# KiCad board d20_tri_r0.3_4x1.kicad_pcb
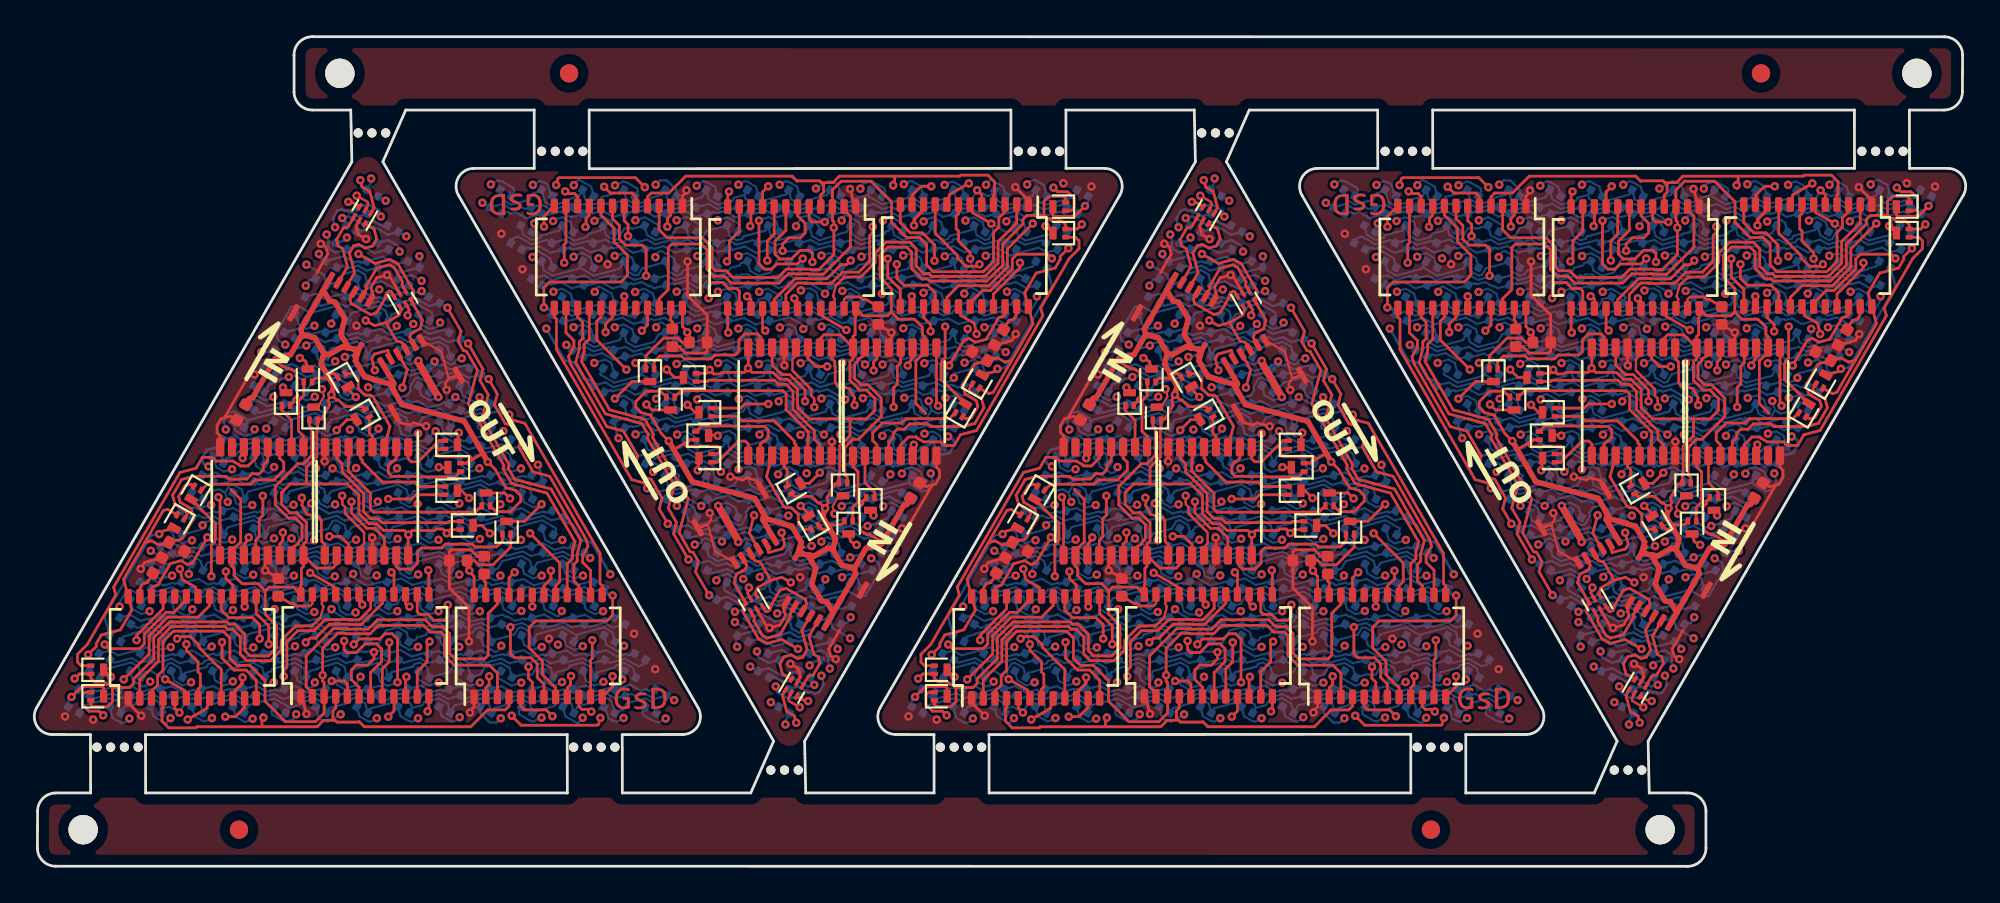
[diagram p0: board, top side]
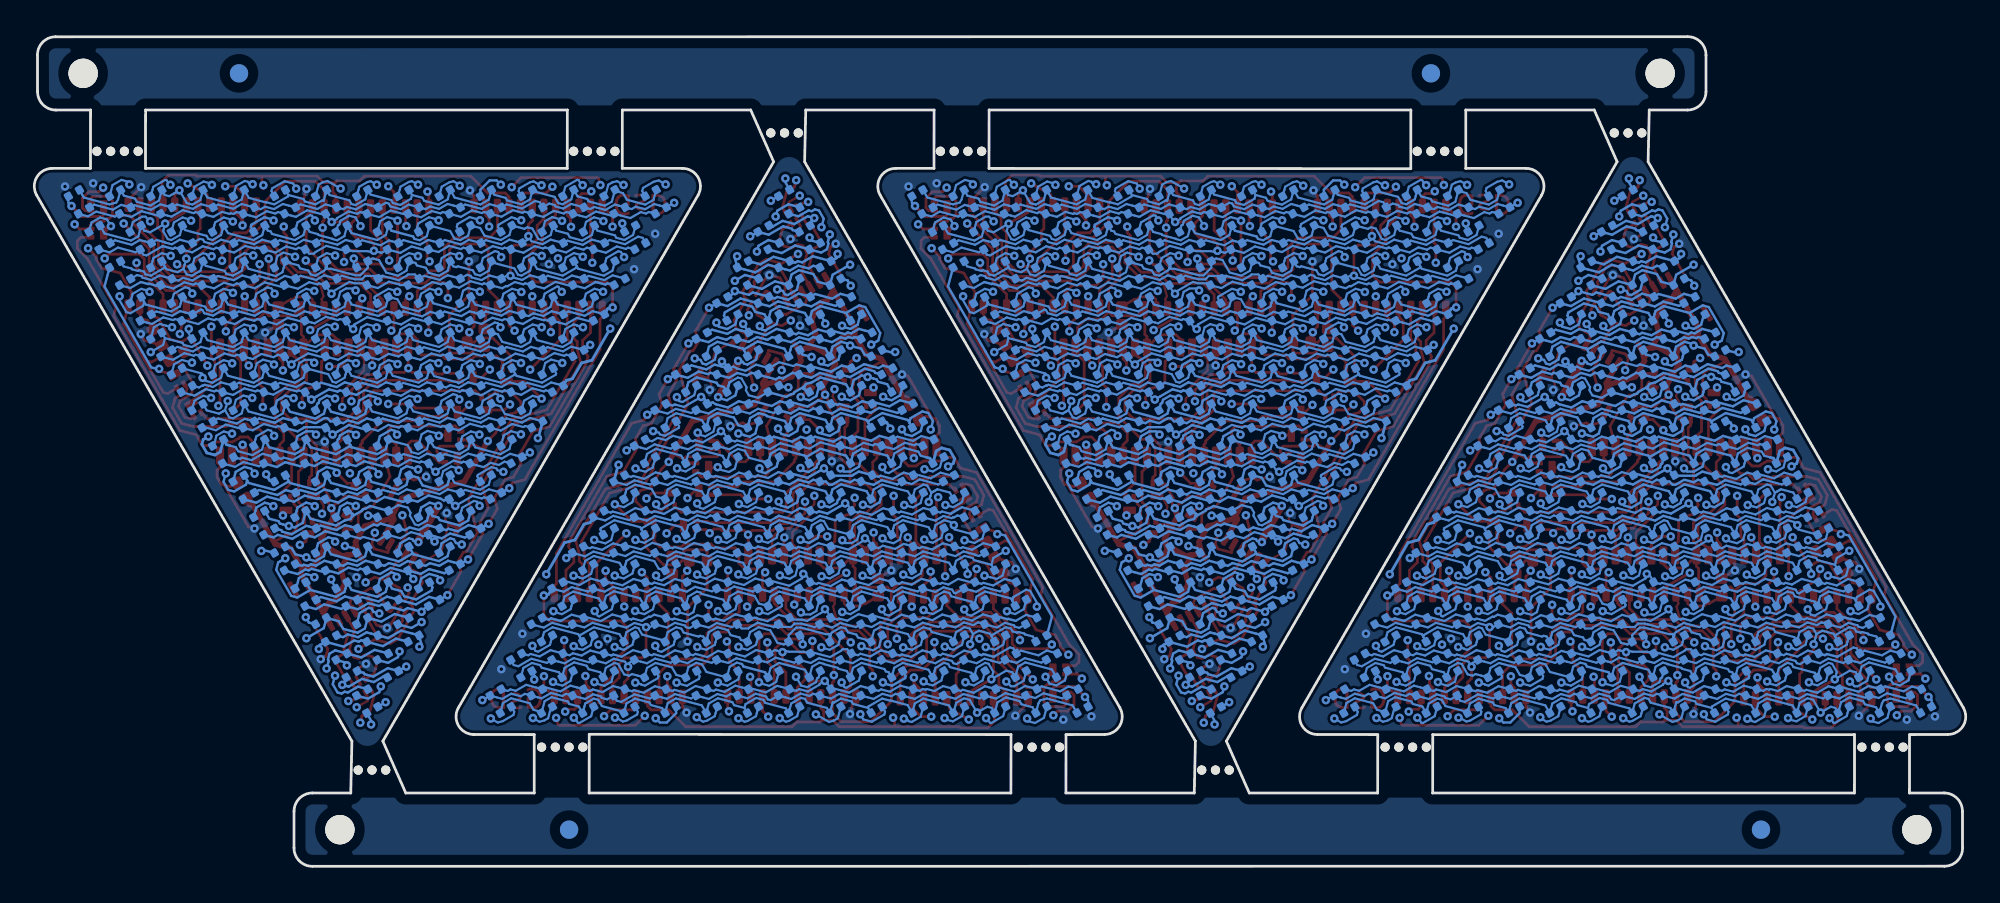
[diagram p1: board, bottom side, seen from below]

Outline 105.33 x 45.25 mm; copper layers: Top, In1.Cu, In2.Cu, Bottom. Coordinates in mm from the lower left corner of the outline.
Outline path: 0.13,8.65 17.32,38.43 17.26,41.25 15.16,41.25 arc(14.46,41.54) 14.16,42.25 14.16,44.25 arc(14.46,44.96) 15.16,45.25 104.16,45.24 arc(104.86,44.96) 105.16,44.26 105.15,42.25 arc(104.86,41.54) 104.15,41.25 102.26,41.25 102.26,38.07 104.35,38.07 arc(105.2,37.58) 105.2,36.6 88.01,6.83 88.07,4 90.16,4 arc(90.87,3.71) 91.16,3 91.16,1 arc(90.87,0.29) 90.16,0 1.17,0.01 arc(0.47,0.29) 0.17,0.99 0.18,3 arc(0.47,3.71) 1.18,4 3.07,4 3.06,7.18 0.97,7.19 arc(0.13,7.68) 0.13,8.65 ; 6.06,7.18 6.07,4 29.07,4 29.06,7.18 6.06,7.18 ; 19.01,38.43 20.26,41.25 27.26,41.25 27.26,38.07 23.98,38.07 arc(23.13,37.58) 23.13,36.6 40.32,6.83 39.07,4 32.07,4 32.06,7.18 35.35,7.19 arc(36.2,7.68) 36.2,8.65 19.01,38.43 ; 30.26,41.25 53.26,41.25 53.26,38.07 30.26,38.05 30.26,41.25 ; 42.01,6.83 42.07,4 49.07,4 49.06,7.18 46.97,7.19 arc(46.13,7.68) 46.13,8.65 63.32,38.43 63.26,41.25 56.26,41.25 56.26,38.07 58.35,38.07 arc(59.2,37.58) 59.2,36.6 42.01,6.83 ; 52.06,7.18 52.07,4 75.07,4 75.06,7.2 52.06,7.18 ; 65.01,38.43 66.26,41.25 73.26,41.25 73.26,38.07 69.98,38.07 arc(69.13,37.58) 69.13,36.6 86.32,6.83 85.07,4 78.06,4 78.06,7.18 81.35,7.19 arc(82.2,7.68) 82.2,8.65 65.01,38.43 ; 76.26,41.25 99.26,41.25 99.26,38.07 76.26,38.07 76.26,41.25

## Placement (name value [footprint] x y rotation side)
C1  100nF  [C_0402_1005Metric]  51.57 27.83 150 top
C1#2  100nF  [C_0402_1005Metric]  7.76 17.43 330 top
C1#3  100nF  [C_0402_1005Metric]  97.57 27.83 150 top
C1#4  100nF  [C_0402_1005Metric]  53.76 17.43 330 top
C2  100nF  [C_0402_1005Metric]  36.21 28.58 0 top
C2#2  100nF  [C_0402_1005Metric]  23.12 16.67 180 top
C2#3  100nF  [C_0402_1005Metric]  82.21 28.58 0 top
C2#4  100nF  [C_0402_1005Metric]  69.12 16.67 180 top
C3  100nF  [C_0402_1005Metric]  48.03 20.5 60 top
C3#2  100nF  [C_0402_1005Metric]  11.3 24.76 240 top
C3#3  100nF  [C_0402_1005Metric]  94.03 20.5 60 top
C3#4  100nF  [C_0402_1005Metric]  57.3 24.76 240 top
D1  LED_ARGB  [led_rbag_1515]  25.44 36.25 240 bottom
D1#2  LED_ARGB  [led_rbag_1515]  33.89 9.01 60 bottom
D1#3  LED_ARGB  [led_rbag_1515]  79.89 9.01 60 bottom
D1#4  LED_ARGB  [led_rbag_1515]  71.44 36.25 240 bottom
D2  LED_ARGB  [led_rbag_1515]  26.56 34.3 240 bottom
D2#2  LED_ARGB  [led_rbag_1515]  32.77 10.95 60 bottom
D2#3  LED_ARGB  [led_rbag_1515]  78.77 10.95 60 bottom
D2#4  LED_ARGB  [led_rbag_1515]  72.56 34.3 240 bottom
D3  LED_ARGB  [led_rbag_1515]  27.69 32.35 240 bottom
D3#2  LED_ARGB  [led_rbag_1515]  31.64 12.9 60 bottom
D3#3  LED_ARGB  [led_rbag_1515]  77.64 12.9 60 bottom
D3#4  LED_ARGB  [led_rbag_1515]  73.69 32.35 240 bottom
D4  LED_ARGB  [led_rbag_1515]  28.81 30.41 240 bottom
D4#2  LED_ARGB  [led_rbag_1515]  30.52 14.85 60 bottom
D4#3  LED_ARGB  [led_rbag_1515]  74.81 30.41 240 bottom
D4#4  LED_ARGB  [led_rbag_1515]  76.52 14.85 60 bottom
D5  LED_ARGB  [led_rbag_1515]  29.93 28.46 240 bottom
D5#2  LED_ARGB  [led_rbag_1515]  29.4 16.79 60 bottom
D5#3  LED_ARGB  [led_rbag_1515]  75.93 28.46 240 bottom
D5#4  LED_ARGB  [led_rbag_1515]  75.4 16.79 60 bottom
D6  LED_ARGB  [led_rbag_1515]  31.06 26.52 240 bottom
D6#2  LED_ARGB  [led_rbag_1515]  28.27 18.74 60 bottom
D6#3  LED_ARGB  [led_rbag_1515]  74.27 18.74 60 bottom
D6#4  LED_ARGB  [led_rbag_1515]  77.06 26.52 240 bottom
D7  LED_ARGB  [led_rbag_1515]  32.18 24.57 240 bottom
D7#2  LED_ARGB  [led_rbag_1515]  27.15 20.68 60 bottom
D7#3  LED_ARGB  [led_rbag_1515]  73.15 20.68 60 bottom
D7#4  LED_ARGB  [led_rbag_1515]  78.18 24.57 240 bottom
D8  LED_ARGB  [led_rbag_1515]  33.31 22.63 240 bottom
D8#2  LED_ARGB  [led_rbag_1515]  26.03 22.63 60 bottom
D8#3  LED_ARGB  [led_rbag_1515]  72.03 22.63 60 bottom
D8#4  LED_ARGB  [led_rbag_1515]  79.31 22.63 240 bottom
D9  LED_ARGB  [led_rbag_1515]  34.43 20.68 240 bottom
D9#2  LED_ARGB  [led_rbag_1515]  24.9 24.57 60 bottom
D9#3  LED_ARGB  [led_rbag_1515]  80.43 20.68 240 bottom
D9#4  LED_ARGB  [led_rbag_1515]  70.9 24.57 60 bottom
D10  LED_ARGB  [led_rbag_1515]  35.55 18.74 240 bottom
D10#2  LED_ARGB  [led_rbag_1515]  23.78 26.52 60 bottom
D10#3  LED_ARGB  [led_rbag_1515]  81.55 18.74 240 bottom
D10#4  LED_ARGB  [led_rbag_1515]  69.78 26.52 60 bottom
D11  LED_ARGB  [led_rbag_1515]  36.68 16.79 240 bottom
D11#2  LED_ARGB  [led_rbag_1515]  22.65 28.46 60 bottom
D11#3  LED_ARGB  [led_rbag_1515]  68.65 28.46 60 bottom
D11#4  LED_ARGB  [led_rbag_1515]  82.68 16.79 240 bottom
D12  LED_ARGB  [led_rbag_1515]  37.8 14.84 240 bottom
D12#2  LED_ARGB  [led_rbag_1515]  21.53 30.41 60 bottom
D12#3  LED_ARGB  [led_rbag_1515]  83.8 14.84 240 bottom
D12#4  LED_ARGB  [led_rbag_1515]  67.53 30.41 60 bottom
D13  LED_ARGB  [led_rbag_1515]  38.92 12.9 240 bottom
D13#2  LED_ARGB  [led_rbag_1515]  20.41 32.36 60 bottom
D13#3  LED_ARGB  [led_rbag_1515]  84.92 12.9 240 bottom
D13#4  LED_ARGB  [led_rbag_1515]  66.41 32.36 60 bottom
D14  LED_ARGB  [led_rbag_1515]  40.05 10.95 240 bottom
D14#2  LED_ARGB  [led_rbag_1515]  19.28 34.3 60 bottom
D14#3  LED_ARGB  [led_rbag_1515]  86.05 10.95 240 bottom
D14#4  LED_ARGB  [led_rbag_1515]  65.28 34.3 60 bottom
D15  LED_ARGB  [led_rbag_1515]  41.17 9.01 240 bottom
D15#2  LED_ARGB  [led_rbag_1515]  18.16 36.25 60 bottom
D15#3  LED_ARGB  [led_rbag_1515]  64.16 36.25 60 bottom
D15#4  LED_ARGB  [led_rbag_1515]  87.17 9.01 240 bottom
D17  LED_ARGB  [led_rbag_1515]  27.69 36.25 240 bottom
D17#2  LED_ARGB  [led_rbag_1515]  31.65 9.01 60 bottom
D17#3  LED_ARGB  [led_rbag_1515]  77.65 9.01 60 bottom
D17#4  LED_ARGB  [led_rbag_1515]  73.69 36.25 240 bottom
D18  LED_ARGB  [led_rbag_1515]  28.81 34.3 240 bottom
D18#2  LED_ARGB  [led_rbag_1515]  30.52 10.96 60 bottom
D18#3  LED_ARGB  [led_rbag_1515]  76.52 10.96 60 bottom
D18#4  LED_ARGB  [led_rbag_1515]  74.81 34.3 240 bottom
D19  LED_ARGB  [led_rbag_1515]  29.93 32.35 240 bottom
D19#2  LED_ARGB  [led_rbag_1515]  29.4 12.9 60 bottom
D19#3  LED_ARGB  [led_rbag_1515]  75.93 32.35 240 bottom
D19#4  LED_ARGB  [led_rbag_1515]  75.4 12.9 60 bottom
D20  LED_ARGB  [led_rbag_1515]  31.06 30.41 240 bottom
D20#2  LED_ARGB  [led_rbag_1515]  28.27 14.85 60 bottom
D20#3  LED_ARGB  [led_rbag_1515]  77.06 30.41 240 bottom
D20#4  LED_ARGB  [led_rbag_1515]  74.27 14.85 60 bottom
D21  LED_ARGB  [led_rbag_1515]  32.18 28.46 240 bottom
D21#2  LED_ARGB  [led_rbag_1515]  27.15 16.79 60 bottom
D21#3  LED_ARGB  [led_rbag_1515]  78.18 28.46 240 bottom
D21#4  LED_ARGB  [led_rbag_1515]  73.15 16.79 60 bottom
D22  LED_ARGB  [led_rbag_1515]  33.3 26.52 240 bottom
D22#2  LED_ARGB  [led_rbag_1515]  26.03 18.74 60 bottom
D22#3  LED_ARGB  [led_rbag_1515]  72.03 18.74 60 bottom
D22#4  LED_ARGB  [led_rbag_1515]  79.3 26.52 240 bottom
D23  LED_ARGB  [led_rbag_1515]  34.43 24.57 240 bottom
D23#2  LED_ARGB  [led_rbag_1515]  24.9 20.68 60 bottom
D23#3  LED_ARGB  [led_rbag_1515]  70.9 20.68 60 bottom
D23#4  LED_ARGB  [led_rbag_1515]  80.43 24.57 240 bottom
D24  LED_ARGB  [led_rbag_1515]  35.55 22.63 240 bottom
D24#2  LED_ARGB  [led_rbag_1515]  23.78 22.63 60 bottom
D24#3  LED_ARGB  [led_rbag_1515]  69.78 22.63 60 bottom
D24#4  LED_ARGB  [led_rbag_1515]  81.55 22.63 240 bottom
D25  LED_ARGB  [led_rbag_1515]  36.68 20.68 240 bottom
D25#2  LED_ARGB  [led_rbag_1515]  22.65 24.57 60 bottom
D25#3  LED_ARGB  [led_rbag_1515]  68.65 24.57 60 bottom
D25#4  LED_ARGB  [led_rbag_1515]  82.68 20.68 240 bottom
D26  LED_ARGB  [led_rbag_1515]  37.8 18.74 240 bottom
D26#2  LED_ARGB  [led_rbag_1515]  21.53 26.52 60 bottom
D26#3  LED_ARGB  [led_rbag_1515]  67.53 26.52 60 bottom
D26#4  LED_ARGB  [led_rbag_1515]  83.8 18.74 240 bottom
D27  LED_ARGB  [led_rbag_1515]  38.92 16.79 240 bottom
D27#2  LED_ARGB  [led_rbag_1515]  20.41 28.46 60 bottom
D27#3  LED_ARGB  [led_rbag_1515]  66.41 28.46 60 bottom
D27#4  LED_ARGB  [led_rbag_1515]  84.92 16.79 240 bottom
D28  LED_ARGB  [led_rbag_1515]  40.05 14.84 240 bottom
D28#2  LED_ARGB  [led_rbag_1515]  19.28 30.41 60 bottom
D28#3  LED_ARGB  [led_rbag_1515]  65.28 30.41 60 bottom
D28#4  LED_ARGB  [led_rbag_1515]  86.05 14.84 240 bottom
D29  LED_ARGB  [led_rbag_1515]  41.17 12.9 240 bottom
D29#2  LED_ARGB  [led_rbag_1515]  18.16 32.36 60 bottom
D29#3  LED_ARGB  [led_rbag_1515]  87.17 12.9 240 bottom
D29#4  LED_ARGB  [led_rbag_1515]  64.16 32.36 60 bottom
D30  LED_ARGB  [led_rbag_1515]  42.29 10.95 240 bottom
D30#2  LED_ARGB  [led_rbag_1515]  17.04 34.3 60 bottom
D30#3  LED_ARGB  [led_rbag_1515]  88.29 10.95 240 bottom
D30#4  LED_ARGB  [led_rbag_1515]  63.04 34.3 60 bottom
D33  LED_ARGB  [led_rbag_1515]  29.93 36.25 240 bottom
D33#2  LED_ARGB  [led_rbag_1515]  29.4 9.01 60 bottom
D33#3  LED_ARGB  [led_rbag_1515]  75.4 9.01 60 bottom
D33#4  LED_ARGB  [led_rbag_1515]  75.93 36.25 240 bottom
D34  LED_ARGB  [led_rbag_1515]  31.06 34.3 240 bottom
D34#2  LED_ARGB  [led_rbag_1515]  28.27 10.96 60 bottom
D34#3  LED_ARGB  [led_rbag_1515]  77.06 34.3 240 bottom
D34#4  LED_ARGB  [led_rbag_1515]  74.27 10.96 60 bottom
D35  LED_ARGB  [led_rbag_1515]  32.18 32.35 240 bottom
D35#2  LED_ARGB  [led_rbag_1515]  27.15 12.9 60 bottom
D35#3  LED_ARGB  [led_rbag_1515]  73.15 12.9 60 bottom
D35#4  LED_ARGB  [led_rbag_1515]  78.18 32.35 240 bottom
D36  LED_ARGB  [led_rbag_1515]  33.3 30.41 240 bottom
D36#2  LED_ARGB  [led_rbag_1515]  26.03 14.85 60 bottom
D36#3  LED_ARGB  [led_rbag_1515]  79.3 30.41 240 bottom
D36#4  LED_ARGB  [led_rbag_1515]  72.03 14.85 60 bottom
D37  LED_ARGB  [led_rbag_1515]  34.43 28.46 240 bottom
D37#2  LED_ARGB  [led_rbag_1515]  24.9 16.79 60 bottom
D37#3  LED_ARGB  [led_rbag_1515]  70.9 16.79 60 bottom
D37#4  LED_ARGB  [led_rbag_1515]  80.43 28.46 240 bottom
D38  LED_ARGB  [led_rbag_1515]  35.55 26.52 240 bottom
D38#2  LED_ARGB  [led_rbag_1515]  23.78 18.74 60 bottom
D38#3  LED_ARGB  [led_rbag_1515]  69.78 18.74 60 bottom
D38#4  LED_ARGB  [led_rbag_1515]  81.55 26.52 240 bottom
D39  LED_ARGB  [led_rbag_1515]  36.67 24.57 240 bottom
D39#2  LED_ARGB  [led_rbag_1515]  22.66 20.68 60 bottom
D39#3  LED_ARGB  [led_rbag_1515]  82.67 24.57 240 bottom
D39#4  LED_ARGB  [led_rbag_1515]  68.66 20.68 60 bottom
D40  LED_ARGB  [led_rbag_1515]  37.8 22.63 240 bottom
D40#2  LED_ARGB  [led_rbag_1515]  21.53 22.63 60 bottom
D40#3  LED_ARGB  [led_rbag_1515]  67.53 22.63 60 bottom
D40#4  LED_ARGB  [led_rbag_1515]  83.8 22.63 240 bottom
D41  LED_ARGB  [led_rbag_1515]  38.92 20.68 240 bottom
D41#2  LED_ARGB  [led_rbag_1515]  20.41 24.57 60 bottom
D41#3  LED_ARGB  [led_rbag_1515]  66.41 24.57 60 bottom
D41#4  LED_ARGB  [led_rbag_1515]  84.92 20.68 240 bottom
D42  LED_ARGB  [led_rbag_1515]  40.05 18.74 240 bottom
D42#2  LED_ARGB  [led_rbag_1515]  19.28 26.52 60 bottom
D42#3  LED_ARGB  [led_rbag_1515]  65.28 26.52 60 bottom
D42#4  LED_ARGB  [led_rbag_1515]  86.05 18.74 240 bottom
D43  LED_ARGB  [led_rbag_1515]  41.17 16.79 240 bottom
D43#2  LED_ARGB  [led_rbag_1515]  18.16 28.47 60 bottom
D43#3  LED_ARGB  [led_rbag_1515]  64.16 28.47 60 bottom
D43#4  LED_ARGB  [led_rbag_1515]  87.17 16.79 240 bottom
D44  LED_ARGB  [led_rbag_1515]  42.29 14.84 240 bottom
D44#2  LED_ARGB  [led_rbag_1515]  17.04 30.41 60 bottom
D44#3  LED_ARGB  [led_rbag_1515]  63.04 30.41 60 bottom
D44#4  LED_ARGB  [led_rbag_1515]  88.29 14.84 240 bottom
D45  LED_ARGB  [led_rbag_1515]  43.42 12.9 240 bottom
D45#2  LED_ARGB  [led_rbag_1515]  15.91 32.36 60 bottom
D45#3  LED_ARGB  [led_rbag_1515]  61.91 32.36 60 bottom
D45#4  LED_ARGB  [led_rbag_1515]  89.42 12.9 240 bottom
D49  LED_ARGB  [led_rbag_1515]  32.18 36.24 240 bottom
D49#2  LED_ARGB  [led_rbag_1515]  27.15 9.01 60 bottom
D49#3  LED_ARGB  [led_rbag_1515]  78.18 36.24 240 bottom
D49#4  LED_ARGB  [led_rbag_1515]  73.15 9.01 60 bottom
D50  LED_ARGB  [led_rbag_1515]  33.3 34.3 240 bottom
D50#2  LED_ARGB  [led_rbag_1515]  26.03 10.96 60 bottom
D50#3  LED_ARGB  [led_rbag_1515]  79.3 34.3 240 bottom
D50#4  LED_ARGB  [led_rbag_1515]  72.03 10.96 60 bottom
D51  LED_ARGB  [led_rbag_1515]  34.43 32.35 240 bottom
D51#2  LED_ARGB  [led_rbag_1515]  24.9 12.9 60 bottom
D51#3  LED_ARGB  [led_rbag_1515]  80.43 32.35 240 bottom
D51#4  LED_ARGB  [led_rbag_1515]  70.9 12.9 60 bottom
D52  LED_ARGB  [led_rbag_1515]  35.55 30.41 240 bottom
D52#2  LED_ARGB  [led_rbag_1515]  23.78 14.85 60 bottom
D52#3  LED_ARGB  [led_rbag_1515]  69.78 14.85 60 bottom
D52#4  LED_ARGB  [led_rbag_1515]  81.55 30.41 240 bottom
D53  LED_ARGB  [led_rbag_1515]  36.67 28.46 240 bottom
D53#2  LED_ARGB  [led_rbag_1515]  22.66 16.79 60 bottom
D53#3  LED_ARGB  [led_rbag_1515]  82.67 28.46 240 bottom
D53#4  LED_ARGB  [led_rbag_1515]  68.66 16.79 60 bottom
D54  LED_ARGB  [led_rbag_1515]  37.8 26.52 240 bottom
D54#2  LED_ARGB  [led_rbag_1515]  21.53 18.74 60 bottom
D54#3  LED_ARGB  [led_rbag_1515]  83.8 26.52 240 bottom
D54#4  LED_ARGB  [led_rbag_1515]  67.53 18.74 60 bottom
D55  LED_ARGB  [led_rbag_1515]  38.92 24.57 240 bottom
D55#2  LED_ARGB  [led_rbag_1515]  20.41 20.68 60 bottom
D55#3  LED_ARGB  [led_rbag_1515]  66.41 20.68 60 bottom
D55#4  LED_ARGB  [led_rbag_1515]  84.92 24.57 240 bottom
D56  LED_ARGB  [led_rbag_1515]  40.05 22.63 240 bottom
D56#2  LED_ARGB  [led_rbag_1515]  19.29 22.63 60 bottom
D56#3  LED_ARGB  [led_rbag_1515]  65.29 22.63 60 bottom
D56#4  LED_ARGB  [led_rbag_1515]  86.05 22.63 240 bottom
D57  LED_ARGB  [led_rbag_1515]  41.17 20.68 240 bottom
D57#2  LED_ARGB  [led_rbag_1515]  18.16 24.57 60 bottom
D57#3  LED_ARGB  [led_rbag_1515]  64.16 24.57 60 bottom
D57#4  LED_ARGB  [led_rbag_1515]  87.17 20.68 240 bottom
D58  LED_ARGB  [led_rbag_1515]  42.29 18.73 240 bottom
D58#2  LED_ARGB  [led_rbag_1515]  17.04 26.52 60 bottom
D58#3  LED_ARGB  [led_rbag_1515]  63.04 26.52 60 bottom
D58#4  LED_ARGB  [led_rbag_1515]  88.29 18.73 240 bottom
D59  LED_ARGB  [led_rbag_1515]  43.42 16.79 240 bottom
D59#2  LED_ARGB  [led_rbag_1515]  15.91 28.47 60 bottom
D59#3  LED_ARGB  [led_rbag_1515]  61.91 28.47 60 bottom
D59#4  LED_ARGB  [led_rbag_1515]  89.42 16.79 240 bottom
D60  LED_ARGB  [led_rbag_1515]  44.54 14.84 240 bottom
D60#2  LED_ARGB  [led_rbag_1515]  14.79 30.41 60 bottom
D60#3  LED_ARGB  [led_rbag_1515]  60.79 30.41 60 bottom
D60#4  LED_ARGB  [led_rbag_1515]  90.54 14.84 240 bottom
D65  LED_ARGB  [led_rbag_1515]  34.43 36.24 240 bottom
D65#2  LED_ARGB  [led_rbag_1515]  24.9 9.01 60 bottom
D65#3  LED_ARGB  [led_rbag_1515]  70.9 9.01 60 bottom
D65#4  LED_ARGB  [led_rbag_1515]  80.43 36.24 240 bottom
D66  LED_ARGB  [led_rbag_1515]  35.55 34.3 240 bottom
D66#2  LED_ARGB  [led_rbag_1515]  23.78 10.96 60 bottom
D66#3  LED_ARGB  [led_rbag_1515]  81.55 34.3 240 bottom
D66#4  LED_ARGB  [led_rbag_1515]  69.78 10.96 60 bottom
D67  LED_ARGB  [led_rbag_1515]  36.67 32.35 240 bottom
D67#2  LED_ARGB  [led_rbag_1515]  22.66 12.9 60 bottom
D67#3  LED_ARGB  [led_rbag_1515]  68.66 12.9 60 bottom
D67#4  LED_ARGB  [led_rbag_1515]  82.67 32.35 240 bottom
D68  LED_ARGB  [led_rbag_1515]  37.8 30.41 240 bottom
D68#2  LED_ARGB  [led_rbag_1515]  21.53 14.85 60 bottom
D68#3  LED_ARGB  [led_rbag_1515]  83.8 30.41 240 bottom
D68#4  LED_ARGB  [led_rbag_1515]  67.53 14.85 60 bottom
D69  LED_ARGB  [led_rbag_1515]  38.92 28.46 240 bottom
D69#2  LED_ARGB  [led_rbag_1515]  20.41 16.79 60 bottom
D69#3  LED_ARGB  [led_rbag_1515]  84.92 28.46 240 bottom
D69#4  LED_ARGB  [led_rbag_1515]  66.41 16.79 60 bottom
D70  LED_ARGB  [led_rbag_1515]  40.04 26.52 240 bottom
D70#2  LED_ARGB  [led_rbag_1515]  19.29 18.74 60 bottom
D70#3  LED_ARGB  [led_rbag_1515]  86.04 26.52 240 bottom
D70#4  LED_ARGB  [led_rbag_1515]  65.29 18.74 60 bottom
D71  LED_ARGB  [led_rbag_1515]  41.17 24.57 240 bottom
D71#2  LED_ARGB  [led_rbag_1515]  18.16 20.68 60 bottom
D71#3  LED_ARGB  [led_rbag_1515]  87.17 24.57 240 bottom
D71#4  LED_ARGB  [led_rbag_1515]  64.16 20.68 60 bottom
D72  LED_ARGB  [led_rbag_1515]  42.29 22.63 240 bottom
D72#2  LED_ARGB  [led_rbag_1515]  17.04 22.63 60 bottom
D72#3  LED_ARGB  [led_rbag_1515]  88.29 22.63 240 bottom
D72#4  LED_ARGB  [led_rbag_1515]  63.04 22.63 60 bottom
D73  LED_ARGB  [led_rbag_1515]  43.42 20.68 240 bottom
D73#2  LED_ARGB  [led_rbag_1515]  15.91 24.58 60 bottom
D73#3  LED_ARGB  [led_rbag_1515]  61.91 24.58 60 bottom
D73#4  LED_ARGB  [led_rbag_1515]  89.42 20.68 240 bottom
D74  LED_ARGB  [led_rbag_1515]  44.54 18.73 240 bottom
D74#2  LED_ARGB  [led_rbag_1515]  14.79 26.52 60 bottom
D74#3  LED_ARGB  [led_rbag_1515]  90.54 18.73 240 bottom
D74#4  LED_ARGB  [led_rbag_1515]  60.79 26.52 60 bottom
D75  LED_ARGB  [led_rbag_1515]  45.66 16.79 240 bottom
D75#2  LED_ARGB  [led_rbag_1515]  13.67 28.47 60 bottom
D75#3  LED_ARGB  [led_rbag_1515]  91.66 16.79 240 bottom
D75#4  LED_ARGB  [led_rbag_1515]  59.67 28.47 60 bottom
D81  LED_ARGB  [led_rbag_1515]  36.67 36.24 240 bottom
D81#2  LED_ARGB  [led_rbag_1515]  22.66 9.01 60 bottom
D81#3  LED_ARGB  [led_rbag_1515]  82.67 36.24 240 bottom
D81#4  LED_ARGB  [led_rbag_1515]  68.66 9.01 60 bottom
D82  LED_ARGB  [led_rbag_1515]  37.8 34.3 240 bottom
D82#2  LED_ARGB  [led_rbag_1515]  21.53 10.96 60 bottom
D82#3  LED_ARGB  [led_rbag_1515]  83.8 34.3 240 bottom
D82#4  LED_ARGB  [led_rbag_1515]  67.53 10.96 60 bottom
D83  LED_ARGB  [led_rbag_1515]  38.92 32.35 240 bottom
D83#2  LED_ARGB  [led_rbag_1515]  20.41 12.9 60 bottom
D83#3  LED_ARGB  [led_rbag_1515]  84.92 32.35 240 bottom
D83#4  LED_ARGB  [led_rbag_1515]  66.41 12.9 60 bottom
D84  LED_ARGB  [led_rbag_1515]  40.04 30.41 240 bottom
D84#2  LED_ARGB  [led_rbag_1515]  19.29 14.85 60 bottom
D84#3  LED_ARGB  [led_rbag_1515]  65.29 14.85 60 bottom
D84#4  LED_ARGB  [led_rbag_1515]  86.04 30.41 240 bottom
D85  LED_ARGB  [led_rbag_1515]  41.17 28.46 240 bottom
D85#2  LED_ARGB  [led_rbag_1515]  18.16 16.79 60 bottom
D85#3  LED_ARGB  [led_rbag_1515]  87.17 28.46 240 bottom
D85#4  LED_ARGB  [led_rbag_1515]  64.16 16.79 60 bottom
D86  LED_ARGB  [led_rbag_1515]  42.29 26.52 240 bottom
D86#2  LED_ARGB  [led_rbag_1515]  17.04 18.74 60 bottom
D86#3  LED_ARGB  [led_rbag_1515]  88.29 26.52 240 bottom
D86#4  LED_ARGB  [led_rbag_1515]  63.04 18.74 60 bottom
D87  LED_ARGB  [led_rbag_1515]  43.42 24.57 240 bottom
D87#2  LED_ARGB  [led_rbag_1515]  15.92 20.68 60 bottom
D87#3  LED_ARGB  [led_rbag_1515]  89.42 24.57 240 bottom
D87#4  LED_ARGB  [led_rbag_1515]  61.92 20.68 60 bottom
D88  LED_ARGB  [led_rbag_1515]  44.54 22.62 240 bottom
D88#2  LED_ARGB  [led_rbag_1515]  14.79 22.63 60 bottom
D88#3  LED_ARGB  [led_rbag_1515]  60.79 22.63 60 bottom
D88#4  LED_ARGB  [led_rbag_1515]  90.54 22.62 240 bottom
D89  LED_ARGB  [led_rbag_1515]  45.66 20.68 240 bottom
D89#2  LED_ARGB  [led_rbag_1515]  13.67 24.58 60 bottom
D89#3  LED_ARGB  [led_rbag_1515]  91.66 20.68 240 bottom
D89#4  LED_ARGB  [led_rbag_1515]  59.67 24.58 60 bottom
D90  LED_ARGB  [led_rbag_1515]  46.79 18.73 240 bottom
D90#2  LED_ARGB  [led_rbag_1515]  12.54 26.52 60 bottom
D90#3  LED_ARGB  [led_rbag_1515]  58.54 26.52 60 bottom
D90#4  LED_ARGB  [led_rbag_1515]  92.79 18.73 240 bottom
D97  LED_ARGB  [led_rbag_1515]  38.92 36.24 240 bottom
D97#2  LED_ARGB  [led_rbag_1515]  20.41 9.01 60 bottom
D97#3  LED_ARGB  [led_rbag_1515]  84.92 36.24 240 bottom
D97#4  LED_ARGB  [led_rbag_1515]  66.41 9.01 60 bottom
D98  LED_ARGB  [led_rbag_1515]  40.04 34.3 240 bottom
D98#2  LED_ARGB  [led_rbag_1515]  19.29 10.96 60 bottom
D98#3  LED_ARGB  [led_rbag_1515]  86.04 34.3 240 bottom
D98#4  LED_ARGB  [led_rbag_1515]  65.29 10.96 60 bottom
D99  LED_ARGB  [led_rbag_1515]  41.17 32.35 240 bottom
D99#2  LED_ARGB  [led_rbag_1515]  18.16 12.9 60 bottom
D99#3  LED_ARGB  [led_rbag_1515]  87.17 32.35 240 bottom
D99#4  LED_ARGB  [led_rbag_1515]  64.16 12.9 60 bottom
D100  LED_ARGB  [led_rbag_1515]  42.29 30.41 240 bottom
D100#2  LED_ARGB  [led_rbag_1515]  17.04 14.85 60 bottom
D100#3  LED_ARGB  [led_rbag_1515]  88.29 30.41 240 bottom
D100#4  LED_ARGB  [led_rbag_1515]  63.04 14.85 60 bottom
D101  LED_ARGB  [led_rbag_1515]  43.41 28.46 240 bottom
D101#2  LED_ARGB  [led_rbag_1515]  15.92 16.79 60 bottom
D101#3  LED_ARGB  [led_rbag_1515]  89.41 28.46 240 bottom
D101#4  LED_ARGB  [led_rbag_1515]  61.92 16.79 60 bottom
D102  LED_ARGB  [led_rbag_1515]  44.54 26.52 240 bottom
D102#2  LED_ARGB  [led_rbag_1515]  14.79 18.74 60 bottom
D102#3  LED_ARGB  [led_rbag_1515]  90.54 26.52 240 bottom
D102#4  LED_ARGB  [led_rbag_1515]  60.79 18.74 60 bottom
D103  LED_ARGB  [led_rbag_1515]  45.66 24.57 240 bottom
D103#2  LED_ARGB  [led_rbag_1515]  13.67 20.69 60 bottom
D103#3  LED_ARGB  [led_rbag_1515]  91.66 24.57 240 bottom
D103#4  LED_ARGB  [led_rbag_1515]  59.67 20.69 60 bottom
D104  LED_ARGB  [led_rbag_1515]  46.79 22.62 240 bottom
D104#2  LED_ARGB  [led_rbag_1515]  12.54 22.63 60 bottom
D104#3  LED_ARGB  [led_rbag_1515]  92.79 22.62 240 bottom
D104#4  LED_ARGB  [led_rbag_1515]  58.54 22.63 60 bottom
D105  LED_ARGB  [led_rbag_1515]  47.91 20.68 240 bottom
D105#2  LED_ARGB  [led_rbag_1515]  11.42 24.58 60 bottom
D105#3  LED_ARGB  [led_rbag_1515]  93.91 20.68 240 bottom
D105#4  LED_ARGB  [led_rbag_1515]  57.42 24.58 60 bottom
D113  LED_ARGB  [led_rbag_1515]  41.17 36.24 240 bottom
D113#2  LED_ARGB  [led_rbag_1515]  18.16 9.01 60 bottom
D113#3  LED_ARGB  [led_rbag_1515]  64.16 9.01 60 bottom
D113#4  LED_ARGB  [led_rbag_1515]  87.17 36.24 240 bottom
D114  LED_ARGB  [led_rbag_1515]  42.29 34.3 240 bottom
D114#2  LED_ARGB  [led_rbag_1515]  17.04 10.96 60 bottom
D114#3  LED_ARGB  [led_rbag_1515]  88.29 34.3 240 bottom
D114#4  LED_ARGB  [led_rbag_1515]  63.04 10.96 60 bottom
D115  LED_ARGB  [led_rbag_1515]  43.41 32.35 240 bottom
D115#2  LED_ARGB  [led_rbag_1515]  15.92 12.9 60 bottom
D115#3  LED_ARGB  [led_rbag_1515]  89.41 32.35 240 bottom
D115#4  LED_ARGB  [led_rbag_1515]  61.92 12.9 60 bottom
D116  LED_ARGB  [led_rbag_1515]  44.54 30.41 240 bottom
D116#2  LED_ARGB  [led_rbag_1515]  14.79 14.85 60 bottom